# KiCad board computing-power-hub.kicad_pcb (continued)
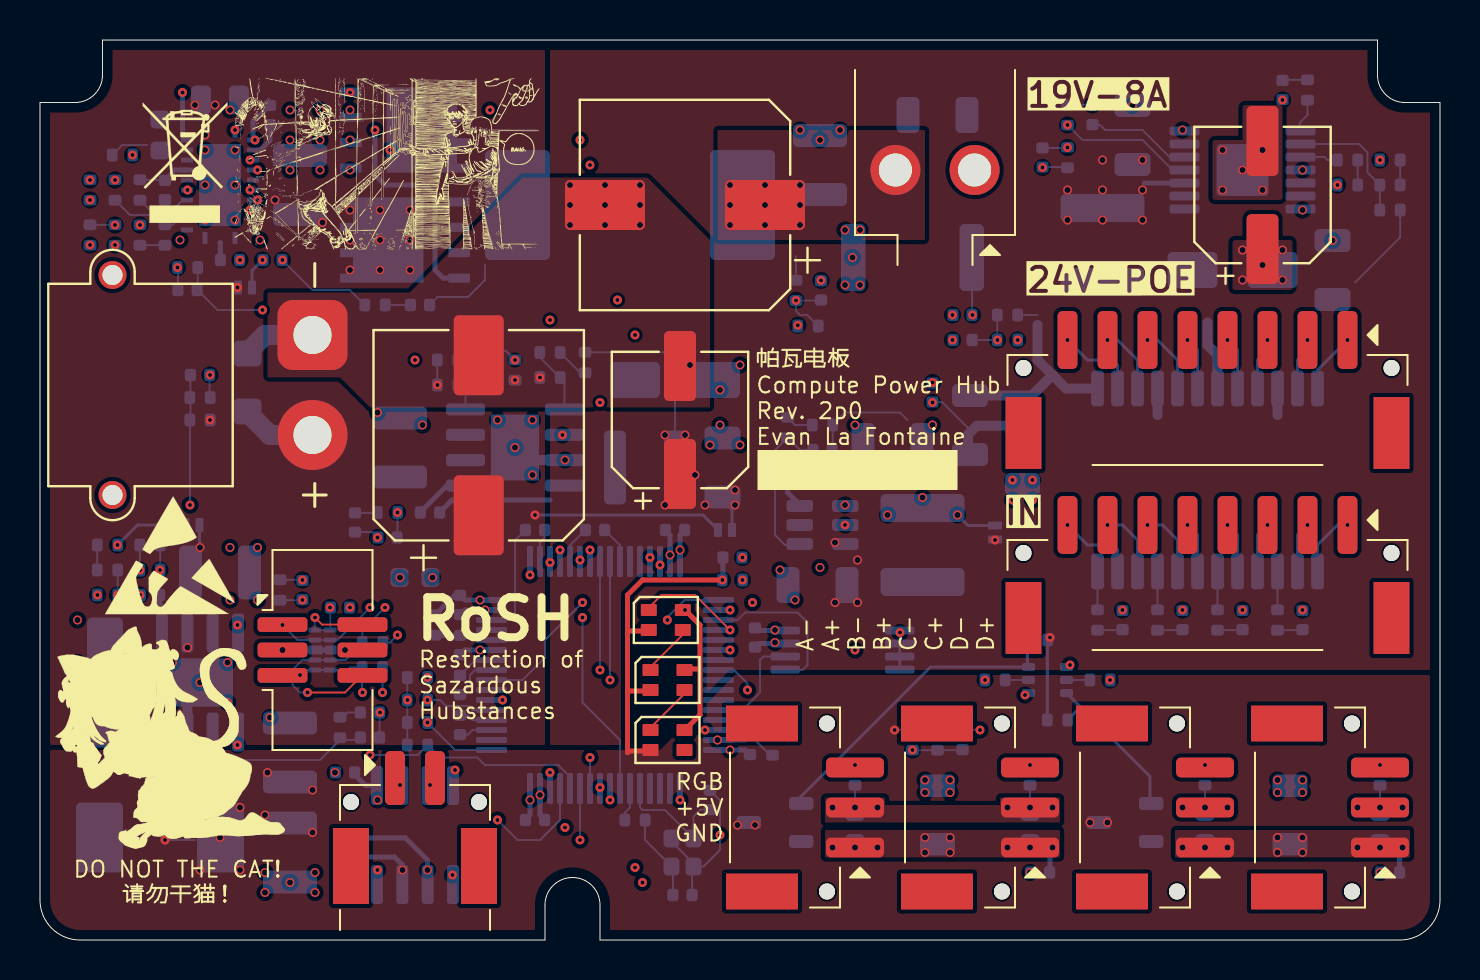
[diagram p0: board, top side]
## Nets (continued)
/Connectors/ETH_{OA+}: J321.7 TR101.3
/Connectors/ETH_{OA-}: J321.8 TR101.2
/Connectors/ETH_{OB+}: J321.5 TR101.6
/Connectors/ETH_{OB-}: J321.6 TR101.5
/Connectors/ETH_{OC+}: J321.3 TR101.9
/Connectors/ETH_{OC-}: J321.4 TR101.8
/Connectors/ETH_{OD+}: J321.1 TR101.12
/Connectors/ETH_{OD-}: J321.2 TR101.11
/Connectors/IS_{5VA}: C301.2 C302.2 C350.2 J105.1 J106.1 R356.1 U101.33
/Connectors/IS_{5VB}: C303.2 C304.2 C308.2 J107.1 J108.1 R301.1 U101.11
/Connectors/IS_{19V}: C306.1 C330.2 J330.1 R330.1 U101.35
/Connectors/IS_{24V}: C307.1 C324.2 R324.1 TR101.4 TR101.10 U101.24
/Connectors/NEN_{5VA}: R350.2 U101.40
/Connectors/NEN_{5VB}: R302.2 U101.41
/Connectors/PO_{5A}: C301.1 C302.1 J105.2 J106.2 Q301.2 R352.2 R353.2
/Connectors/PO_{5B}: C303.1 C304.1 J107.2 J108.2 Q303.2 R354.2 R355.2
/Connectors/QG_{5A}: Q301.1 Q302.6 R351.2
/Connectors/QG_{5B}: Q302.3 Q303.1 R303.2
/Connectors/VS_{VBUS}: C311.2 R310.2 R311.1 U101.36
/DBG.NRST: C112.2 D104.5 D104.6 J101.2 U101.7
/DBG.SWCLK: D104.2 D104.9 J101.6 R101.1 U101.50
/DBG.SWDIO: D104.1 D104.10 J101.5 R102.1 U101.49
/DBG.SWO: D104.4 D104.7 J101.1 U101.56
/I2C_SCL: U101.60 U103.6
/I2C_SDA: U101.51 U103.5
/IS_{5A,M}: C110.1 U101.30
/IS_{5A,O}: C110.2 U101.34
/IS_{5B,M}: C111.1 U101.42
/IS_{5B,O}: C111.2 U101.37
/IS_{19,M}: C109.1 U101.26
/IS_{19,O}: C109.2 U101.25
/IS_{24,M}: C108.1 U101.19
/IS_{24,O}: C108.2 U101.20
/OSC_IN: C106.2 U101.5 Y101.1
/OSC_OUT: R116.2 U101.6
/OSC_OUT_L: C107.2 R116.1 Y101.3
/Regulators/EN_{19V}: R210.1 U101.39 U201.19
/Regulators/EN_{24V}: R240.1 U101.38 U240.4
/Regulators/VS_{5V}: C236.2 R236.2 R327.1 U101.10
/Regulators/VS_{19V}: C216.2 R219.2 R270.1 U101.9
/Regulators/VS_{24V}: C245.2 R248.2 R249.1 U101.8
/TEMP0: C114.2 R120.2 TH101.1 U101.21
/TEMP1: C115.2 R121.2 TH102.1 U101.17
/TEMP2: C116.2 R122.2 TH103.1 U101.13
/TEMP3: C117.2 R123.2 TH104.1 U101.12
Net-(C203-Pad2): C203.2 R201.1
Net-(Q302A-B1): Q302.2 R350.1
Net-(Q302B-B2): Q302.5 R302.1
Net-(U101A-PB8-BOOT): R119.1 U101.61

Pads without a net: D105 1; U101 2 3 4 18 23 43 44 53 55 57 58 59; U220 3; U230 3; U250 5

## Via types
v1: diameter 0.45, hole 0.3, Top to Bottom, 212 vias
v2: diameter 0.45, hole 0.2, Top to Bottom, 171 vias

## Routing (per net, layer and track width the routed paths; a pad name or vN(x,y) marks a point on that pad's centre or on a via; arc(x,y) is an arc through that point)
+5V: length 66.5
  Top w0.25: 29.38,12.38 29.45,12.45 30.46,12.45 ; v2(34.12,18) 30.12,18 29.38,17.25 29.38,9.38 29.45,9.45 30.46,9.45 ; 30.38,15.45 29.45,15.45
  In2.Cu w0.15: v2(10,34) 9.48,33.48 9.48,25.35 v2(3.88,19.75) 3.38,19.25 3.38,7.88 v2(6.25,5)
  In2.Cu w0.25: v2(10.5,39) 10,39 9.25,38.25 9.25,34.75 v2(10,34)
  Bottom w0.095: R236.1 42.74,10.51 v2(42.73,10.5) ; v2(6.25,5) 7.75,5
  Bottom w0.15: v2(3.88,19.75) 4.88,20.75 D203.2
  Bottom w0.25: C126.2 34.15,18.02 v2(34.12,18) ; 18.12,2.75 v1(18.12,3.5) 18.12,3.75 17.73,4.15 C101.2
  vias: v1(8,6.62) v1(8,3.5) v1(9,5.12) v1(10,6.62) v1(10,3.5) v1(11.25,6.25) v1(11.38,8.38) v1(13.62,7.5) v1(13.62,5.38) v1(34.88,5.75) v1(35.75,5.75) v1(52.5,5.88) v1(53.38,5.88)
+12V: length 16.6
  Bottom w0.095: 31.75,24.38 31.75,29.12 31.49,29.38 R223.1
  Bottom w0.15: 34.5,21.62 34.6,21.52 D202.2 ; R303.1 50.37,14.99 50.38,15
  Bottom w0.25: 57.26,37.85 55.23,37.85
  vias: v1(31.25,25.25) v1(31.25,21.75) v1(32.25,25.25) v1(32.75,23.25) v1(33.25,21.75) v1(34.75,22.5) v1(34.75,21.75) v1(39.75,19.88) v1(39.75,16.88) v1(40.88,19) v1(40.88,16.88) v1(51.38,37.5) v1(51.38,36) v1(53.12,39) v1(53.12,37.5) v1(53.12,36) v1(55.12,39) v1(55.12,37.5) v1(55.12,36) v2(47.75,20) v2(50.5,15.12)
+19V: length 39
  In2.Cu w0.095: v2(10.5,36.5) 10.5,34.62 v2(11.12,34)
  In3.Cu w0.095: v2(10.5,36.5) 10.5,36.12 8.88,34.5 4,34.5 v2(3.75,34.75) ; v2(11.12,34) 11.12,33.88
  In3.Cu w0.25: v1(34.5,35.75) 31.5,32.75 12.25,32.75 11.12,33.88
  Bottom w0.095: v2(10.5,36.5) 10.88,36.5 ; R219.1 37.8,34.2
  Bottom w0.15: v2(11.12,34) 10.6,33.48 D201.2
  vias: v1(34.5,37.75) v1(34.5,36.75) v1(36.25,37.75) v1(36.25,36.75) v1(36.25,35.75) v1(38,37.75) v1(38,36.75) v1(38,35.75)
+24V: length 19.1
  Bottom w0.095: R244.1 68.01,35.13 65.75,32.88 ; R248.1 49.88,31.25
  Bottom w0.5: 49.88,30.75 49.88,29 50.62,28.25 ; TR101.7 58.88,29.25 58.38,29.75 58.38,30.88 ; 50.62,28.25 49.6,27.23 46.38,27.23 ; 50.62,28.25 51.3,27.57 TR101.1
  vias: v1(60.12,34.5) v1(60.12,33) v1(61.12,33.75) v1(62.12,34.5) v1(62.12,33)
/Regulators/3V3_{BST}: length 1.5
  Bottom w0.25: C251.1 37.38,22.38 38,21.75
/Regulators/3V3_{FBM}: length 1.4
  Bottom w0.095: 37.38,26.12 37.75,25.75 R250.2
/Regulators/3V3_{FB}: length 9.5
  Bottom w0.095: 38.62,23.12 38.65,23.14 C252.1 38,24.5 37.38,25.12 ; 38,19.62 37.88,19.75 37.25,19.75 36.75,20.25 36.75,24.49 R251.2
/Regulators/3V3_{SW}: length 4.4
  In2.Cu w0.095: v2(37.38,24) 40.25,21.12 v2(40.25,20.75)
/Regulators/5V_{BST}: length 1.8
  Bottom w0.25: 6.12,15.5 6.12,16.62 5.98,16.77 C233.1
/Regulators/5V_{CLK}: length 6.3
  In3.Cu w0.095: v2(9.88,15.75) 7.12,18.5 v2(6,18.5)
  Bottom w0.095: 6,19.75 6.01,19.74 R231.1
/Regulators/5V_{COMPM}: length 1
  Bottom w0.095: 15.12,11.12 15.38,11.38 C231.2
/Regulators/5V_{COMP}: length 9
  Bottom w0.095: U230.6 8.62,10.39 8.62,9.25 8.88,9 14,9 15,10 16,10
/Regulators/5V_{FBM}: length 1.4
  Bottom w0.095: R234.1 2.87,19.86 2.88,19.88
/Regulators/5V_{FB}: length 13.7
  In2.Cu w0.095: v2(9.88,9.75) 5.62,9.75 3.88,11.5 v2(3.88,17.25)
  Bottom w0.095: v2(3.88,17.25) 3.88,17.26 R234.2
/Regulators/5V_{SW}: length 5.2
  In2.Cu w0.25: v2(5,17.25) v2(5,12)
/Regulators/12V_{BST}: length 2.8
  Bottom w0.25: 19,21.38 20.34,22.72 U220.1
/Regulators/12V_{CLK}: length 2.5
  Bottom w0.095: 21,27.62 21.27,27.35 U220.4 ; 20.88,29 20.89,28.99 R221.1
/Regulators/12V_{COMPM}: length 1.1
  Bottom w0.095: C221.2 16.86,21.36 16.88,21.38
/Regulators/12V_{COMP}: length 11.1
  In3.Cu w0.095: v2(17.88,21.38) 21.75,25.25 v2(26.12,25.25)
  Bottom w0.095: v2(17.88,21.38) 17.88,20.12
/Regulators/12V_{FBM}: length 1.7
  Bottom w0.095: 26,29.38 27.01,28.36 R223.2
/Regulators/12V_{FB}: length 3.5
  Bottom w0.095: U220.5 26.23,27.9 24.99,29.13
  Bottom w0.15: 26,28.12 26,28 ; R224.2 24.99,29.13
/Regulators/12V_{SW}: length 5.8
  Bottom w0.25: 25.5,22 20.61,22 C223.2
/Regulators/19V_{BOOT}: length 1.7
  Bottom w0.25: C213.1 11.5,39.98 11.02,39.5 10.75,39.5
/Regulators/19V_{CNFGM}: length 1.3
  Bottom w0.095: 6.25,34.75 6.24,34.74 R214.1
/Regulators/19V_{CNFG}: length 1.1
  Bottom w0.095: 7.25,36 6.88,36 6.62,35.75 6.26,35.75 R213.1
/Regulators/19V_{EXTCOMP}: length 2.9
  Bottom w0.095: 5,37 5.5,36.5 6.64,36.5 7.14,37 U201.5 ; 7.12,37 7.25,37
/Regulators/19V_{FB}: length 5.6
  In3.Cu w0.095: v2(7.38,37.5) 5.5,37.5 v2(3.75,35.75)
  Bottom w0.095: 2.5,35.75 2.51,35.76 R216.2
/Regulators/19V_{HO}: length 17.8
  In3.Cu w0.25: v2(16.75,40.5) v2(9.75,40.5)
  Bottom w0.25: v2(16.75,40.5) 16.75,38.25 17.25,37.75 19.25,37.75 19.75,37.25 19.75,33.5 20.16,33.09 Q210.2
/Regulators/19V_{LO}: length 10.9
  In3.Cu w0.25: v2(15.5,42.38) v2(7.12,42.38)
  Bottom w0.25: 7.38,40 7.12,40.25 v2(7.12,42.38)
/Regulators/19V_{PG}: length 6.6
  In3.Cu w0.095: v2(4.62,39.25) 4.75,39.12 9.62,39.12 10.25,38.5 v2(10.88,38.5)
/Regulators/19V_{RT}: length 4
  Bottom w0.095: U201.4 7.12,36.5 6.88,36.25 4.5,36.25 3.75,37
/Regulators/19V_{SH}: length 8.6
  In2.Cu w0.095: v2(10.88,37) 12.12,35.75 v2(12.12,34)
  Bottom w0.095: R201.2 15.49,32.5 13.62,32.5 ; C202.1 13.61,32.5
/Regulators/19V_{SW}: length 13.1
  In3.Cu w0.095: v2(17.5,39.5) 11.25,39.5 v2(10.75,40)
  Bottom w0.095: 22.25,33.75 22.25,33 21.4,32.15 19.88,32.15 C203.1
  Bottom w0.25: U201.14 10.65,40.9 11.5,41.75
/Regulators/19V_{VCC}: length 2
  Bottom w0.095: R212.1 4.12,39.75 5.38,39.75
/Regulators/19V_{VDDA}: length 2.6
  Bottom w0.095: R211.1 6.24,38.01 6.25,38
  Bottom w0.25: U201.8 6.75,38.5 6.25,38
/Regulators/24V_{COMPM}: length 1.3
  Bottom w0.095: R243.2 62.13,43.01 62.12,43
/Regulators/24V_{COMP}: length 1.7
  Bottom w0.095: 63.38,42 63.38,41.25 62.99,40.86 62.99,40.45
/Regulators/24V_{FBLM}: length 1.3
  Bottom w0.095: R247.1 68.01,37.76 68,37.75
/Regulators/24V_{FB}: length 6.7
  Bottom w0.095: R244.2 66.99,37.74 67,37.75 66.38,38.38 66.38,39.38 65.95,39.8 62.99,39.8
/Regulators/24V_{FREQM}: length 1.3
  Bottom w0.095: R241.2 65.89,37.76 65.88,37.75
/Regulators/24V_{FREQ}: length 1.9
  Bottom w0.095: 62.99,39.15 64.22,39.15 64.38,39 64.88,39
/Regulators/24V_{SS}: length 5.3
  Bottom w0.095: 52.62,40.75 53,40.75 53.25,40.5 55.12,40.5 56.48,39.15 57.26,39.15
GND: length 59.3
  Top w0.25: 32.29,13.55 32.95,13.55 ; v2(32.25,16.5) 33,15.75 33,11.26 32.29,10.55
  Bottom w0.095: 35.5,10.25 36.51,9.24 R119.2 ; R222.2 19.86,27.76 v2(19.88,27.75) ; C231.1 16.98,10.15 17,10.12 ; v2(16.88,20.12) 16.61,20.39 C221.1 ; R327.2 46.99,10.51 v2(47,10.5) ; 6.88,33.75 6.89,33.73 C117.1 ; v2(13.12,18) 13.12,18.01 TH101.2 ; R101.2 17.5,14.88 v2(17.88,15.25) ; R240.2 52.59,41.76 C241.1 ; 4.88,18.5 4.99,18.61 R232.2 ; C311.1 8.48,27.02 8.5,27 ; C106.1 34,6.98 v2(34,5.25) 34,4.5 33.17,3.67 Y101.2 32.67,3.83 31.5,5 ; v2(51.38,39.62) 51.35,39.61 C116.1 ; 32.62,3.62 32.6,3.6 C107.1
  Bottom w0.15: U103.4 42.99,15.36 v2(43,15.38)
  Bottom w0.25: v1(12.12,14.5) 14.62,14.5 ; U101.27 v1(22,14.5) 21.25,14.5 21,14.25 ; 21,16.25 21.25,16.5 v1(22.25,16.5) U101.31 ; C201.1 9.02,34.86 9,34.88 ; 25.25,6 25,6.25 v1(25,7.25) U101.15 ; 35.5,10.25 35.25,10 v1(33.88,10) U101.63 ; C101.1 18.27,5.1 19.38,4 v1(19.38,3.5) 19.38,2.75 ; 31.25,20.5 31.5,20.25 v1(31.5,19.25) U101.47 ; 35.75,14.62 35.95,14.82 U103.7
  Bottom w0.5: v1(26.25,24) 24.38,24 ; U230.7 7.37,11.99 7.38,12
  Bottom w1: J310.1 11.25,30.25 10.38,29.38
  vias: v1(1.88,16) v1(1.88,13.88) v1(4.5,14.88) v1(6.62,13.88) v1(6.62,11.88) v1(7,35) v1(8,12.88) v1(8.25,39.5) v1(8.25,37.75) v1(8.25,36) v1(9.38,13.88) v1(9.38,11.88) v1(9.5,41.5) v1(9.5,19.62) v1(9.5,17) v1(9.75,39.5) v1(9.75,37.75) v1(9.75,36) v1(10.88,19.62) v1(10.88,17) v1(11,35) v1(11.25,3.38) v1(11.25,2.38) v1(11.5,11.12) v1(12.5,41.5) v1(12.5,40) v1(12.5,38.5) v1(12.5,2.88) v1(13.75,3.38) v1(13.75,2.38) v1(14,41.5) v1(14,40) v1(14,38.5) v1(14.75,8.38) v1(15.5,41.5) v1(15.5,40) v1(15.5,38.5) v1(16.88,26.38) v1(18,18.12) v1(19.12,25.75) v1(22.88,26) v1(23.75,24.62) v1(24.62,26) v1(24.62,23.25) v1(26.5,37.75) v1(26.5,36.75) v1(26.5,35.75) v1(28.25,37.75) v1(28.25,36.75) v1(28.25,35.75) v1(30,37.75) v1(30,36.75) v1(30,35.75) v1(32.5,28.75) v1(33.5,24.75) v1(34,27.5) v1(34,25.75) v1(35,28.75) v1(35,24.75) v1(36.75,14.88) v1(37,18.5) v1(37.75,17) v1(38,40.5) v1(39,40) v1(39,18.62) v1(40,40.5) v1(40.25,35.5) v1(40.25,32.75) v1(40.25,21.75) v1(40.62,34.12) v1(40.75,25.75) v1(41,35.5) v1(41,32.75) v1(41.5,23.25) v1(44.25,8) v1(44.25,7.38) v1(45.5,8) v1(45.5,7.38) v1(49.5,3.38) v1(54.62,41.73) v1(57.12,40.5) v1(59.12,39.5) v1(59.12,37.5) v1(60.12,38.5) v1(61.12,39.5) v1(61.12,37.5) v1(61.88,8) v1(61.88,7.38) v1(63.12,38.5) v1(63.12,36.5) v1(63.12,8) v1(63.12,7.38) v1(64.62,34.98) v1(67,3.38) v2(2.5,37) v2(2.5,34.75) v2(2.88,17.25) v2(3.75,38) v2(5,35.75) v2(5,18.5) v2(6.88,33.62) v2(8.5,28.25) v2(15.5,16.62) v2(17,11.38) v2(20.75,8.5) v2(23.75,28) v2(25,28.12) v2(35.12,19.12) v2(37.89,30.74) v2(39.05,32.98) v2(44.62,27.88) v2(45.62,31.25) v2(45.62,30) v2(48.62,23) v2(48.62,22) v2(48.88,30) v2(49.25,12.25) v2(49.62,23) v2(49.62,22) v2(51.5,13.75) v2(52.62,41.75) v2(54.12,16.5) v2(57.12,16.5) v2(60.12,16.5) v2(62.12,42) v2(63.12,16.5) v2(64.88,37.75) v2(67,39)
VBUS: length 14.1
  Bottom w0.15: D202.1 33.15,21.25 v2(24.75,21.25) ; 8,19.88 7.97,19.9 D203.1
  Bottom w1: J310.2 11.5,25.25 10.38,26.38
  vias: v1(7,17) v1(7.38,14.62) v1(7.75,41.75) v1(8,19.62) v1(8,16.75) v1(8.25,40.25) v1(8.75,41.75) v1(11.75,37) v1(14.12,35.88) v1(15.5,36.5) v1(15.5,35) v1(15.5,33.5) v1(17,36.5) v1(17,35) v1(17,33.5) v1(18.5,36.5) v1(18.5,35) v1(18.5,33.5) v2(8.5,26) v2(9.88,32.62)
VDD: length 23.8
  Bottom w0.095: 39.62,24.38 39.63,24.39 R250.1 40.26,26.38 43,26.38 43.38,26 ; R122.1 18.36,9.63 18.38,9.62 ; R102.2 v2(17.12,12.38)
  Bottom w0.15: D204.2 46.4,20.73 v1(45.88,21.25)
  Bottom w0.25: U103.8 35.9,15.48 35.75,15.62 ; 32.25,20.5 32,20.25 v1(32,19.5) U101.48 ; U101.32 v1(22,17) 21.25,17 21,17.25 ; C123.2 20.73,17.23 19.75,16.25 ; 24.25,6 24.5,6.25 v1(24.5,7) U101.16 ; U101.64 v1(34.5,9.5) 35.25,9.5 35.5,9.25 ; U102.5 16.27,7.73 15.75,8.25 15.75,8.38
  vias: v1(15.25,14.5) v1(16.88,7) v1(19.62,18.12) v1(36.75,15.5) v1(42.38,21.25) v1(43.5,23.25) v1(44.12,22.12) v1(44.62,25.75) v2(18.38,12) v2(32,7)
VDDA: length 1.3
  Bottom w0.25: C118.2 19.77,15.23 19.75,15.25
/ARGB_{I,0}: length 7.9
  Top w0.095: v2(34.5,15.5) 32.75,17.25 31.07,17.25 30.38,16.55
  In2.Cu w0.095: v2(34.5,15.5) 35.12,16.12 v2(35.12,18)
/ARGB_{I,1}: length 2.6
  Top w0.095: 32.25,15.38 30.46,13.59 30.46,13.55
/ARGB_{I,2}: length 2.6
  Top w0.095: 32.25,12.38 32.25,12.34 30.46,10.55
/CAN_RX: length 29.3
  In2.Cu w0.095: v2(29.75,3.62) 30.5,4.38 v2(30.5,19.12)
  In3.Cu w0.095: v2(29.75,3.62) 28.6,3.62 27.93,4.29 17.67,4.29 v2(16.88,3.5)
/CAN_TX: length 26.6
  In2.Cu w0.095: v2(30.12,2.88) 31,3.75 v2(31,18.75)
  In3.Cu w0.095: v2(20.62,3.25) 21.48,4.1 27.85,4.1 29.07,2.88 v2(30.12,2.88)
/CANH:
  vias: v2(19.5,7.75)
/CANL:
  vias: v2(18,7.75)
/Connectors/ARGB_{0}: length 12
  In2.Cu w0.095: v2(40.75,8.75) v2(40.75,14.5)
  In3.Cu w0.095: v2(40.75,14.5) v2(34.5,14.5)
/Connectors/ARGB_{1}: length 24.2
  In3.Cu w0.095: v2(49.5,8.75) 49.12,8.38 v2(25.5,8.38)
/Connectors/ARGB_{2}: length 25.7
  In3.Cu w0.095: v2(33.25,10.5) 34.38,10.5 35,9.88 57.12,9.88 v2(58.25,8.75)
/Connectors/ARGB_{3}: length 45.2
  In3.Cu w0.095: v2(67,8.75) 60.38,8.75 57.5,11.62 49.12,11.62 48.75,12 v2(23.12,12)
/Connectors/ETH_{IA+}: length 3.5
  Bottom w0.15: v2(51.38,20.75) 52.38,19.75 53.62,19.75 53.88,19.5 53.88,19
/Connectors/ETH_{IA-}: length 2.8
  Bottom w0.15: v2(53.38,20.75) 54.12,20.75 54.88,20 54.88,19
/Connectors/ETH_{IAM}: length 1.2
  Bottom w0.095: R320.1 52.88,17.75
/Connectors/ETH_{IAT}: length 1.3
  Bottom w0.095: R320.2 54.12,15.49 54.12,15.5
/Connectors/ETH_{IB+}: length 2
  Bottom w0.15: v2(57.38,20.75) 57.88,20.25 57.88,19
/Connectors/ETH_{IB-}: length 2.8
  Bottom w0.15: v2(55.38,20.75) 56.12,20.75 56.88,20 56.88,19
/Connectors/ETH_{IBM}: length 1.2
  Bottom w0.095: R322.1 58.88,17.75
/Connectors/ETH_{IBT}: length 1.3
  Bottom w0.095: 60.12,15.5 60.12,15.49 R322.2
/Connectors/ETH_{IC+}: length 2
  Bottom w0.15: 60.88,19 60.88,20.25 v2(61.38,20.75)
/Connectors/ETH_{IC-}: length 2
  Bottom w0.15: 59.88,19 59.88,20.25 v2(59.38,20.75)
/Connectors/ETH_{ICM}: length 1.2
  Bottom w0.095: R321.1 55.88,17.75
/Connectors/ETH_{ICT}: length 1.3
  Bottom w0.095: 57.12,15.5 57.12,15.49 R321.2
/Connectors/ETH_{ID+}: length 2.7
  Bottom w0.15: 63.88,19 63.88,19.75 64.88,20.75 v2(65.38,20.75)
/Connectors/ETH_{ID-}: length 2
  Bottom w0.15: 62.88,19 62.88,20.25 v2(63.38,20.75)
/Connectors/ETH_{IDM}: length 1.2
  Bottom w0.095: R323.1 61.88,17.75
/Connectors/ETH_{IDT}: length 1.3
  Bottom w0.095: R323.2 63.12,15.49 63.12,15.5
/Connectors/ETH_{OA+}: length 2.7
  Bottom w0.15: 54.88,28.25 54.88,29 53.88,30 v2(53.38,30)
/Connectors/ETH_{OA-}: length 3.5
  Bottom w0.15: 53.88,28.25 53.88,28.75 53.62,29 52.38,29 v2(51.38,30)
/Connectors/ETH_{OB+}: length 2
  Bottom w0.15: 57.88,28.25 57.88,29.5 v2(57.38,30)
/Connectors/ETH_{OB-}: length 2.7
  Bottom w0.15: v2(55.38,30) 55.88,30 56.88,29 56.88,28.25
/Connectors/ETH_{OC+}: length 2
  Bottom w0.15: v2(61.38,30) 61.38,29.5 60.88,29 60.88,28.25
/Connectors/ETH_{OC-}: length 2
  Bottom w0.15: v2(59.38,30) 59.88,29.5 59.88,28.25
/Connectors/ETH_{OD+}: length 2.4
  Bottom w0.15: 63.88,28.25 63.88,28.5 v2(65.38,30)
/Connectors/ETH_{OD-}: length 2
  Bottom w0.15: v2(63.38,30) 63.38,29.5 62.88,29 62.88,28.25
/Connectors/IS_{5VA}: length 28.2
  In2.Cu w0.095: v2(26.25,5.62) 26.25,16.5 v2(24.5,18.25)
  In3.Cu w0.095: v1(39.62,4.62) 29.88,4.62 28.88,5.62 v2(26.25,5.62)
  Bottom w0.25: 50.5,3.48 50.5,4.5
  vias: v1(40.75,4.62) v1(41.88,4.62) v1(44.25,5.12) v1(44.25,4.38) v1(45.5,5.12) v1(45.5,4.38) v1(48.38,4.62) v1(49.5,4.62) v1(50.62,4.62)
/Connectors/IS_{5VB}: length 34.2
  In3.Cu w0.095: v2(27,5) 28,5 29,4 56.5,4 v1(57.12,4.62)
  Bottom w0.095: v2(27,5) 27,7.5
  Bottom w0.25: 68,4.25 67.98,4.23 C308.2
  vias: v1(58.25,4.62) v1(59.38,4.62) v1(61.88,5.12) v1(61.88,4.38) v1(63.12,5.12) v1(63.12,4.38) v1(65.88,4.62) v1(67,4.62) v1(68.12,4.62)
/Connectors/IS_{19V}: length 34.9
  In2.Cu w0.095: v2(25.5,18.88) v2(25.5,31)
  In3.Cu w0.095: v2(25.5,31) 36.62,31 37,31.38 37.7,31.38 37.94,31.62 46.26,31.62 v2(46.62,31.25)
  Bottom w0.095: C330.2 46.6,32.48 46.62,32.5
/Connectors/IS_{24V}: length 43.1
  In2.Cu w0.095: v2(28,26.88) 28,17.12 27.75,16.88 v2(27.12,16.88)
  In3.Cu w0.095: v2(44.62,26.88) v2(28,26.88)
  Bottom w0.095: v2(27.12,16.88) 25.25,15 25.25,14.12 24.12,13 U101.24 ; C324.2 45.1,26.89 46.5,25.5
  Bottom w0.5: 46.38,24.27 46.4,24.25 46.4,25.27 46.84,25.71 R324.1 ; TR101.4 55.88,26.25 ; TR101.10 61.88,26.25
/Connectors/NEN_{5VA}: length 30.8
  In3.Cu w0.095: v2(28,13.5) 48.62,13.5 49.12,13 v2(53.5,13)
  Bottom w0.095: v2(28,13.5) 28,18.62
/Connectors/NEN_{5VB}: length 24.2
  In3.Cu w0.095: v2(47.25,13) v2(28.5,13)
  Bottom w0.095: v2(28.5,13) 28.5,18.5
/Connectors/PO_{5A}: length 2.2
  Bottom w0.095: R353.2 v1(49.5,6.62) ; R352.2 v1(40.75,6.62)
  vias: v1(39.62,6.62) v1(41.88,6.62) v1(48.38,6.62) v1(50.62,6.62)
/Connectors/PO_{5B}: length 2.2
  Bottom w0.095: R354.2 v1(58.25,6.62) ; R355.2 v1(67,6.62)
  vias: v1(57.12,6.62) v1(59.38,6.62) v1(65.88,6.62) v1(68.12,6.62)
/Connectors/QG_{5A}: length 15.9
  Bottom w0.15: Q302.6 44.52,13.65 38,7.12 38,6.75 ; R351.2 49.37,13.64 49.38,13.62
/Connectors/QG_{5B}: length 8.2
  Bottom w0.15: Q302.3 55.5,8.17 55.5,6.75 ; R303.2 51.38,11.01 52,11.62
/Connectors/VS_{VBUS}: length 26.1
  In3.Cu w0.095: v2(7.5,21.75) 16.98,21.75 19.23,19.5 v2(26,19.5)
  Bottom w0.095: v2(7.5,21.75) 7.5,26 ; C311.2 7.52,25.89 7.5,25.88
/DBG.NRST: length 27.3
  Top w0.095: v2(13.75,16.12) 14.11,15.77 J101.2
  In3.Cu w0.095: v2(27.12,16.12) 27,16 15.12,16 v2(14.5,16.62)
  Bottom w0.095: U101.7 29,10 27.12,11.88 v2(27.12,16.12) ; v2(14.5,16.62) 14.51,16.61 D104.6 13.75,15.5 ; D104.5 13.74,16.11 v2(13.75,16.12)
/DBG.SWCLK: length 29
  Top w0.095: 16.12,13.25 15.25,12.38 v2(13.38,12.38)
  In3.Cu w0.095: v2(17.25,16.62) 17.99,17.37 33.63,17.37 v2(34.5,16.5)
  Bottom w0.095: v2(17.25,16.62) 16.11,15.49 R101.1 16.11,14.84 15.27,14 14.5,14 D104.9 13.75,14 ; D104.2 13.11,14 12.63,13.52 12.63,12.74 13,12.38 v2(13.38,12.38)
/DBG.SWDIO: length 24.5
  In3.Cu w0.095: v2(31.37,16) 31.37,15.74 29.49,13.87 17.62,13.87 v2(16.12,12.38)
  Bottom w0.095: 13.75,13.5 D104.10 15.38,13.5 15.5,13.62 16.12,13.62 ; v2(13,13.25) 13.25,13.5 D104.1 ; U101.49 32.23,17 31.37,16.14 v2(31.37,16) ; R102.1 16.11,12.4 v2(16.12,12.38)
/DBG.SWO: length 31.8
  In2.Cu w0.095: v2(35.38,12.5) 35.62,12.75 v2(35.62,16.88)
  In3.Cu w0.095: v2(16.5,16.62) 17.62,17.75 33.62,17.75 33.75,17.62 34.88,17.62 v2(35.62,16.88)
  Bottom w0.095: U101.56 34.7,13.5 35.38,12.82 v2(35.38,12.5) ; v2(16.5,16.62) 14.88,15 D104.7 13.75,15 ; v2(12.12,15.75) 12.88,15 D104.4
/I2C_SCL: length 5.3
  Bottom w0.095: 34,11.5 35.12,11.5 36,12.38 36,14 36.17,14.18 U103.6
/I2C_SDA: length 8.2
  Bottom w0.095: 37.25,13.5 38.12,13.5 38.38,13.75 38.38,15.88 37.88,16.38 35.25,16.38 34.88,16 U101.51
/IS_{5A,M}: length 5.4
  Bottom w0.095: C110.1 23.75,19.98 23.75,16.25 23.5,16 22.88,16
/IS_{5A,O}: length 1.2
  Bottom w0.095: C110.2 25.23,20.11 25,19.88 25,19.38
/IS_{5B,M}: length 1.7
  Bottom w0.095: C111.1 29,19.73 29,19.12
/IS_{5B,O}: length 1.8
  Bottom w0.095: C111.2 26.5,19.73 26.5,19
/IS_{19,M}: length 1.4
  Bottom w0.095: 22.12,14 21.77,14 C109.1
/IS_{19,O}: length 2.4
  Bottom w0.095: U101.25 21.75,13.5 21.5,13.25 21.5,12.75 21,12.25
/IS_{24,M}: length 1.6
  Bottom w0.095: C108.1 21.39,10.27 21.62,10.5 22.5,10.5
/IS_{24,O}: length 1.6
  Bottom w0.095: 22.5,11 21.62,11 21.39,11.23 C108.2
/OSC_IN: length 5.9
  Bottom w0.095: C106.2 33.02,6.52 32.67,6.17 Y101.1 31.25,6.5 30.12,6.5 30,6.62 30,7.12
/OSC_OUT: length 1.4
  Bottom w0.095: 29.5,7.25 29.5,6.62 29.24,6.37 R116.2
/OSC_OUT_L: length 4.3
  Bottom w0.095: 31.62,3.62 31.64,3.6 C107.2 ; Y101.3 30.25,5 30.25,6
/Regulators/EN_{19V}: length 45.3
  In2.Cu w0.095: v2(27.5,38.75) v2(27.5,19.5)
  In3.Cu w0.095: v2(2.5,38) 2.88,38.38 9.65,38.38 10.5,37.52 v2(10.5,37.5) 11.12,38.12 26.87,38.12 v2(27.5,38.75)
/Regulators/EN_{24V}: length 52.7
  In2.Cu w0.095: v2(27,19) v2(27,40)
  In3.Cu w0.095: v2(27,40) 28,41 51.12,41 v2(51.38,40.75)
  Bottom w0.095: v2(51.38,40.75) 52.12,40 55.12,40 56.62,38.5 57.26,38.5
/Regulators/VS_{5V}: length 20.3
  In3.Cu w0.095: v2(43.62,9.5) 43.25,9.12 v2(27.5,9.12)
  Bottom w0.095: R236.2 46.12,9.49 46.12,9.5 ; U101.10 v2(27.5,9.12)
/Regulators/VS_{19V}: length 36.9
  In2.Cu w0.095: v2(28,7.62) 28.88,8.5 v2(28.88,32)
  In3.Cu w0.095: v2(37.8,31.98) 37.78,32 v2(28.88,32)
  Bottom w0.095: 37.7,32 37.67,31.98 ; R270.1 38.36,31.25 38,31.25 37.8,31.45 R219.2 39.02,31.97 C216.2
/Regulators/VS_{24V}: length 44.6
  In2.Cu w0.095: v2(29.75,30.25) 29.75,8.25 v2(28.5,7)
  In3.Cu w0.095: v2(47.88,30) 47.51,30.37 29.87,30.37 v2(29.75,30.25)
  Bottom w0.095: 47.88,31.25 47.87,31.24 R249.1 ; C245.2 v2(47.88,30)
/TEMP0: length 14.3
  In3.Cu w0.095: v2(19.38,12) 19.01,11.63 18.22,11.63 17.85,12 15.88,12 13.12,14.75 v2(13.12,17)
  Bottom w0.095: TH101.1 13.12,16.99 v2(13.12,17) ; 22.38,11.5 21.62,11.5 21.42,11.71 20.29,11.71 20,12 R120.2
/TEMP1: length 28.6
  In2.Cu w0.095: v2(18.75,29) 18.74,28.99 18.74,11.51 v2(19.38,10.88)
  In3.Cu w0.095: v2(18.75,29) v2(23.75,29)
  Bottom w0.095: C115.2 23.29,29.46 v2(23.75,29) 23.73,29 ; U101.17 20.75,9.5 v2(19.38,10.88)
/TEMP2: length 74.3
  In2.Cu w0.095: v2(22.5,41.5) 20.24,39.24 20.24,13.99 v2(19.38,13.12) 22.88,9.62 v2(22.88,6)
  In3.Cu w0.095: v2(22.5,41.5) 24.62,39.38 40.88,39.38 41.62,40.12 48.62,40.12 v2(50.12,38.62)
  Bottom w0.095: U101.13 26,6 25,5 23.88,5 v2(22.88,6) ; C116.2 51.23,38.64 51.25,38.62
/TEMP3: length 44.1
  In2.Cu w0.095: v2(11.12,31.5) 12.12,32.5 14.63,32.5 15.87,31.26 15.87,16.74 16.5,16.1 v2(16.5,9.25)
  Bottom w0.095: 26.5,7.62 26.5,8.16 25.92,8.74 22.25,8.74 21.86,9.12 20.01,9.12 R123.2 18.89,9.25 v2(16.5,9.25) ; TH104.1 7.88,32.51 7.88,32.5 8.88,31.5 v2(11.12,31.5)
Net-(C203-Pad2): length 1.3
  Bottom w0.095: C203.2 17.25,31.75
Net-(Q302A-B1): length 1.2
  Bottom w0.095: R350.1 51.25,13
Net-(Q302B-B2): length 1.1
  Bottom w0.095: R302.1 49.38,13
Net-(U101A-PB8-BOOT): length 2.6
  Bottom w0.095: 34.38,11 35.88,11 R119.1

## Copper pours and planes (outline as drawn; the poured copper is in the pictures)
+5V on Top: 70,0 0,0 0,9.5 31,9.5 34.75,13.25 70,13.25
+5V on Bottom: 7.62,3.12 7.62,6.88 9.38,8.62 14,8.62 14,5.25 12.75,4 11.12,4 10.25,3.12
+12V on Top: 70,45 70,13.5 34.5,13.5 30.75,9.75 25.5,9.75 25.5,45
+12V on Bottom: 35.12,21.5 31,21.5 31,25.62 32.5,25.62 32.5,24.12 33.75,22.88 35.12,22.88
+12V on Bottom: 39.5,20.12 40.88,20.12 41.12,19.88 41.12,16.62 39.5,16.62
+12V on Bottom: 55.62,39.5 55.62,35.5 50.88,35.5 50.88,37.75 52.62,39.5
+19V on Top: 44.25,40.5 44.25,35 33.88,35 33.88,40.5
+19V on Bottom: 33.25,39.75 33.25,33.75 37.75,33.75 41,37 41,38.75 37.75,38.75 36.75,39.75
+19V on Bottom: 44.25,42.25 44.25,37 41,37 41,40.5 42.75,42.25
+24V on Top: 59.62,35 62.62,35 62.62,32.5 59.62,32.5
+24V on Bottom: 60.12,30.75 49.62,30.75 49.62,31.75 60.12,31.75
+24V on Bottom: 59.62,35 62.62,35 64.62,33 65.88,33 65.88,30.75 59.62,30.75
/Regulators/3V3_{SW} on Bottom: 39.5,21.25 41.5,21.25 44,18.75 46.5,18.75 46.5,17 42,17 41.5,17.5 41.5,19.75 41,20.25 39.5,20.25
/Regulators/5V_{SW} on Bottom: 6.5,11.25 6.5,9 4.38,6.88 4.38,3.25 1.62,3.25 1.5,3.38 1.5,12.25 5.5,12.25
/Regulators/12V_{SW} on Bottom: 31.25,29.12 31.25,27 29.5,25.25 29.5,21.62 25.62,21.62 25.12,22.12 25.12,23.25 27.25,23.25 27.88,23.88 27.88,28.38 28.62,29.12
/Regulators/19V_{SW} on Bottom: 17.25,42.75 17.25,38.25 20.25,38.25 20.25,33.75 25.75,33.75 25.75,39.25 22.25,42.75
/Regulators/19V_{VCC} on Bottom: 5.25,40 5.25,38.75 6.5,38.75 7,38.25 7.75,38.25 7.75,39.25 7,39.25 6.25,40
/Regulators/24V_{SW} on Bottom: 50.88,32 50.88,34.5 55.38,34.5 56.12,35.25 56.12,37.5 58.38,37.5 58.38,35.25 59.12,34.5 59.12,32
GND on Top: 30.38,38.12 33.5,35 33.5,26.62 16.5,26.62 15,28.12 11.38,28.12 11.38,32.38 18.49,32.38 24.12,38.12
GND on Top: 62.12,41.75 60.12,41.75 60.12,40 58.62,40 58.62,37 62.12,37
GND on Bottom: 11.25,20 11.25,13.5 14,10.75 14,10 10.88,10 10.38,10.5 10.38,11.5 6.5,11.5 4.5,13.5 1.5,13.5 1.5,16.38 4.25,16.38 6.38,14.25 8.88,14.25 9.12,14.5 9.12,20
GND on Bottom: 53.38,42.75 55.62,42.75 57.38,41 58.12,41 58.62,40.5 58.62,39.5 56.38,39.5 55.12,40.75 53.38,40.75
GND on Bottom: 65.88,34 65.88,35.5 64.12,37.25 64.12,38.75 61.62,38.75 61.62,36.25 63.88,34
GND on Bottom: 25,22.88 25,26.25 20.5,30.75 16.25,30.75 14.88,32.12 11.75,32.12 11.75,28.38 13.88,28.38 16.62,25.62 22.5,25.62 22.5,22.88
GND on Bottom: 50.12,21.5 48.12,21.5 48.12,23.5 50.12,23.5
GND on Bottom: 36.62,16.62 36.62,19 38.75,19 38.75,22.25 40.25,23.75 40.38,23.75 40.38,26.12 41.88,26.12 41.88,22.38 40.88,21.38 39.38,21.38 39.38,16.62
GND on Bottom: 5.25,43 5.25,34.75 11.25,34.75 11.25,38.25 16.25,38.25 16.25,43
GND on Bottom: 35.25,29 35.25,24.38 33.12,24.38 33.12,26.25 32.25,27.12 32.25,29
GND on In1.Cu, In4.Cu: 70,45 0,45 0,0 70,0
GND on In2.Cu, In3.Cu: 70,45 70,0 0,0 0,45
VBUS on Top: 0,45 0,9.75 25.25,9.75 25.25,45
VBUS on Bottom: 8.38,20 8.38,16.62 8,16.25 8,14.38 6.75,14.38 6.75,20
VBUS on Bottom: 7.5,43 7.5,40.5 8,40 8.5,40 9,40.5 9,43
VBUS on Bottom: 11.5,37.25 19.25,37.25 19.25,32.75 14.25,32.75 11.5,35.5
VBUS on Bottom: 22.38,24.62 22.38,23.38 20.25,23.38 19.25,22.38 13.38,22.38 11.62,24.12 11.62,27.25 14.62,27.25 17.25,24.62
VDD on Bottom: 46.25,20.88 46.25,22.25 45,23.5 45,26.12 43.25,26.12 43.25,23.5 42,22.25 42,21 42.12,20.88
VDD on In2.Cu, In3.Cu: 10.5,0 10.5,22.5 36.25,22.5 41,27.25 47.5,27.25 47.5,9.25 38.25,0
VDDA on Bottom: 23.38,15.75 23.38,14.75 20.88,14.75 20.62,15 20.62,15.5 20.88,15.75
/Connectors/IS_{5VA} on Top, Bottom: 51,5.5 51,4.12 39.25,4.12 39.25,5.5
/Connectors/IS_{5VB} on Top, Bottom: 56.75,5.5 56.75,4.12 68.5,4.12 68.5,5.5
/Connectors/IS_{19V} on Bottom: 48.25,42.25 48.25,32.38 45.25,32.38 45.25,42.25
/Connectors/IS_{24V} on Bottom: 48.07,26.5 50.12,26.5 50.38,26.25 62.12,26.25 62.12,25.25 50.38,25.25 50.12,25 48.07,25
/Connectors/PO_{5A} on Top, Bottom: 42.25,5.88 48,5.88 48,6.75 42.25,6.75
/Connectors/PO_{5A} on Top, Bottom: 51,7.12 51,5.88 48,5.88 48,7.12
/Connectors/PO_{5A} on Top, Bottom: 42.25,7.12 42.25,5.88 39.25,5.88 39.25,7.12
/Connectors/PO_{5A} on Bottom: 39.25,7.12 37.25,5.12 37.25,4.38 38.88,4.38 38.88,5.5 39.25,5.88
/Connectors/PO_{5B} on Top, Bottom: 59.75,6.75 65.5,6.75 65.5,5.88 59.75,5.88
/Connectors/PO_{5B} on Top, Bottom: 65.5,7.12 68.5,7.12 68.5,5.88 65.5,5.88
/Connectors/PO_{5B} on Top, Bottom: 56.75,7.12 59.75,7.12 59.75,5.88 56.75,5.88
/Connectors/PO_{5B} on Bottom: 56.75,7.12 54.75,5.12 54.75,4.5 56.38,4.5 56.38,5.5 56.75,5.88

## Text on the board
F.Silkscreen: Restriction of / Sazardous / Hubstances | 帕瓦电板 / Compute Power Hub / Rev. 2p0 / Evan La Fontaine | DO NOT THE CAT! / 请勿干猫！ | RGB / +5V / GND | A- / A+ / B- / B+ / C- / C+ / D- / D+ | IN | 19V-8A | 24V-POE | RoSH
